# KiCad board Stream.kicad_pcb (continued)
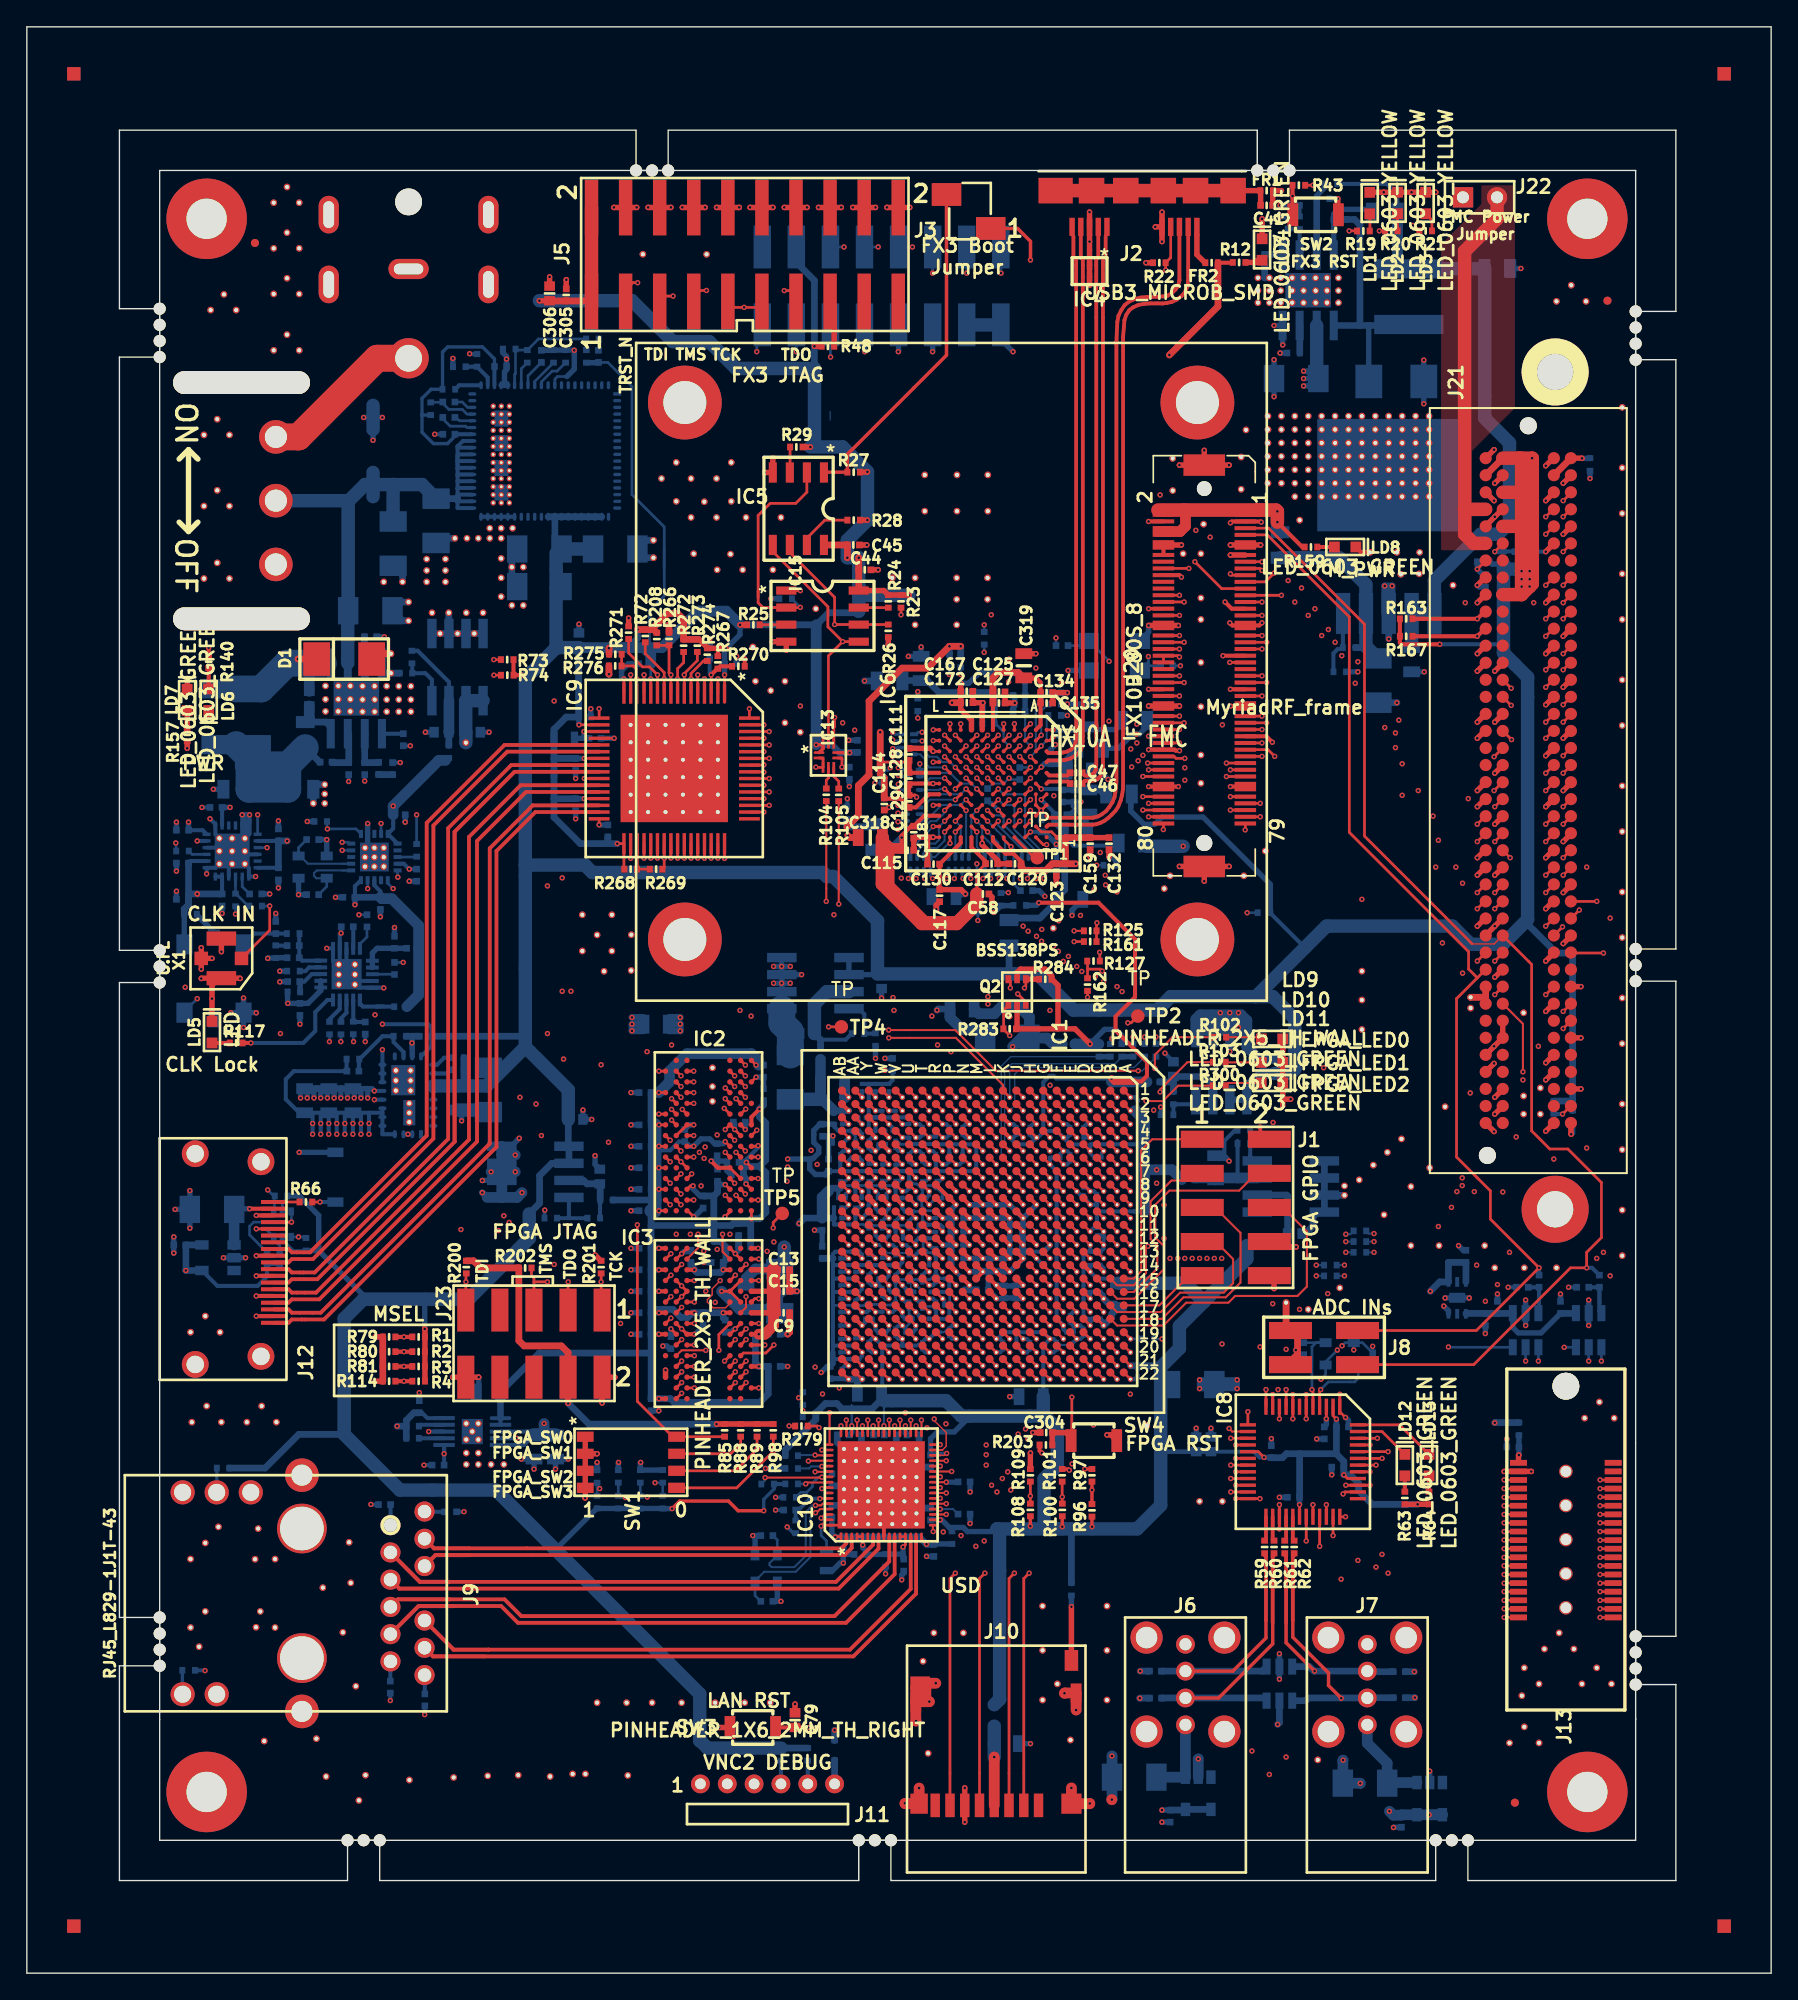
[diagram p0: board, top side]
## Routing (per net, layer and track width the routed paths; a pad name or vN(x,y) marks a point on that pad's centre or on a via; arc(x,y) is an arc through that point) (continued)
/FPGA banks 1_4/DDR_0_DQ5: length 21.9
  Top w0.2: IC1.W10 IC1.W10 ; v1(47.95,62.05) IC2.H9
  Inner6.Cu w0.1: v1(47.95,62.05) 48.35,61.65 48.35,59.22 49.47,58.1 50.12,58.1 51.28,56.95 52.28,56.95 52.6,56.62 63.88,56.62 IC1.W10
  Bottom w0.3: R11.2 63.97,56.25 IC1.W10
/FPGA banks 1_4/DDR_0_DQ6: length 11.1
  Top w0.2: IC2.F1 v1(54.5,60.8) ; IC1.AA8 IC1.AA8
  Inner6.Cu w0.1: 60.6,57.88 61.88,57.88 IC1.AA8
  Inner6.Cu w0.15: 60.6,57.88 56.95,57.88 54.5,60.32 v1(54.5,60.8)
  Bottom w0.3: IC1.AA8 62.22,58.22 R71.2
/FPGA banks 1_4/DDR_0_DQ7: length 21.7
  Top w0.2: IC2.F9 v1(47.95,60.45) ; IC1.Y10 IC1.Y10
  Inner4.Cu w0.1: IC1.Y10 IC1.Y10 59.47,56.75 58.9,57.32 v1(58.9,60.25)
  Inner1.Cu w0.1: v1(58.9,60.25) 58.53,60.25 57.41,61.37 55.7,61.37 54.33,60 53.2,60 53.15,60.05 48.35,60.05 v1(47.95,60.45)
  Bottom w0.2: R126.2 62.82,56.1 63.1,56.1 IC1.Y10
/FPGA banks 1_4/DDR_0_DQ8: length 20.3
  Top w0.2: IC1.W6 IC1.W6 ; IC2.C8 v1(48.75,58.05)
  Inner6.Cu w0.1: 64.25,60.28 IC1.W6
  Inner3.Cu w0.1: v1(50.47,60.7) 50.12,60.35 49.57,60.35 49.15,59.93 49.15,58.43 48.78,58.05 v1(48.75,58.05)
  Inner1.Cu w0.1: v1(50.47,60.7) 50.68,60.9 51.45,60.9 51.57,60.78 53.66,60.78 54.13,61.24 55.08,61.24 55.46,61.62 57.51,61.62 58.05,61.08 58.06,61.08 58.54,60.6 58.56,60.62 63.88,60.62 IC1.W6
  Bottom w0.3: 63.75,60.22 63.78,60.25 IC1.W6
/FPGA banks 1_4/DDR_0_DQ9: length 12.1
  Top w0.2: IC2.C2 v1(53.55,58.05) ; IC1.AA5 IC1.AA5
  Inner5.Cu w0.1: v1(56.7,60.06) 57.64,60.06 58.46,60.88 61.88,60.88 IC1.AA5
  Inner3.Cu w0.1: v1(56.7,60.06) 56.7,59.85 55.68,58.82 55.68,58.47 55.25,58.05 v1(53.55,58.05)
  Bottom w0.3: IC1.AA5 62.03,61.47 R152.2
/FPGA banks 1_4/DDR_0_DQ10: length 20.8
  Top w0.2: IC1.W7 IC1.W7 ; IC2.D7 v1(49.55,59.55)
  Inner6.Cu w0.1: v1(49.55,59.55) 49.78,59.78 51.18,59.78 51.45,60.05 51.45,61.28 51.72,61.55 53.18,61.55 54.04,62.41 57.09,62.41 57.67,61.83 57.67,60.92 59.97,58.62 63.62,58.62 IC1.W7
  Bottom w0.25: IC1.W7 64.03,59.03 63.75,59.03
/FPGA banks 1_4/DDR_0_DQ11: length 16.6
  Top w0.2: v1(52.75,58.85) IC2.D3 ; IC1.V8 IC1.V8
  Inner5.Cu w0.1: 62.28,57.62 64.62,57.62 IC1.V8 ; 62.28,57.62 61.07,57.62 ; 62.28,57.62 61.15,57.62 ; 61.15,57.62 60.82,57.62 ; 61.15,57.62 60.5,57.62 60.45,57.57 ; 54,58.43 53.18,58.43 v1(52.75,58.85)
  Inner5.Cu w0.15: 60.45,57.57 55.53,57.57 54.68,58.43 54,58.43
  Bottom w0.3: R173.2 65.53,58.25 IC1.V8
/FPGA banks 1_4/DDR_0_DQ12: length 12.2
  Top w0.2: IC2.D1 v1(54.5,59.2) ; IC1.W8 IC1.W8
  Inner5.Cu w0.1: IC1.W8 63.88,57.88 60.45,57.88
  Inner5.Cu w0.15: 60.45,57.88 55.82,57.88 v1(54.5,59.2)
  Bottom w0.3: IC1.W8 64.07,58.07 R174.2
/FPGA banks 1_4/DDR_0_DQ13: length 17.7
  Top w0.2: v1(47.95,58.85) IC2.D9 ; IC1.Y7 IC1.Y7
  Inner1.Cu w0.1: v1(47.95,58.85) 48.18,59.07 49.65,59.07 50.3,59.72 56.43,59.72 56.53,59.62 62.88,59.62 IC1.Y7
  Bottom w0.25: IC1.Y7 63.03,59.03 R178.2
/FPGA banks 1_4/DDR_0_DQ14: length 14.1
  Top w0.2: IC2.B1 v1(54.5,57.6) ; IC1.U9 IC1.U9
  Inner6.Cu w0.1: IC1.U9 65.88,56.88 60.62,56.88
  Inner6.Cu w0.15: v1(54.5,57.6) 55.22,56.88 60.62,56.88
  Bottom w0.3: IC1.U9 65.82,57.68 65.82,57.75
/FPGA banks 1_4/DDR_0_DQ15: length 20.9
  Top w0.2: IC2.B9 v1(47.95,57.25) ; IC1.AA4 IC1.AA4 IC1.AA4
  Inner4.Cu w0.1: v1(50.12,61.15) 50.07,61.2 49.38,61.2 49.03,60.85 48.5,60.85 48.35,60.7 48.35,57.65 v1(47.95,57.25)
  Inner1.Cu w0.1: v1(50.12,61.15) 50.85,61.15 51.25,61.55 53,61.55 53.57,62.12 55,62.12 55.25,61.88 61.88,61.88 IC1.AA4
  Bottom w0.3: R183.2 62.25,62.53 IC1.AA4
/FPGA banks 1_4/DDR_1_A0: length 19
  Top w0.2: IC1.U15 IC1.U15 ; IC3.M8 v1(53.6,45.6)
  Inner6.Cu w0.1: 58.35,49.53 58.35,48.95 ; 58.35,48.95 58.35,47.75 56.45,45.85 53.85,45.85 v1(53.6,45.6) ; 58.35,48.95 58.35,49.68 58.55,49.88 65.43,49.88 65.75,50.2 65.75,50.35 66.25,50.85 IC1.U15
  Bottom w0.2: R243.2 66.3,51.25 IC1.U15
/FPGA banks 1_4/DDR_1_A1: length 18.3
  Top w0.2: IC1.AA17 IC1.AA17 ; IC3.M3 v1(49.75,45.2)
  Inner1.Cu w0.1: 59.45,48.88 59.1,48.88 56.3,46.07 54.62,46.07 53.75,45.2 v1(49.75,45.2) ; 59.45,48.88 61.75,48.88 ; 59.45,48.88 61.88,48.88 IC1.AA17
  Bottom w0.3: R244.2 62.6,49.25 IC1.AA17
/FPGA banks 1_4/DDR_1_A2: length 24.3
  Top w0.2: IC3.M7 v1(52.8,45.6) ; IC1.T14 IC1.T14
  Inner5.Cu w0.1: IC1.T14 66.75,51.75 66.75,51.07 66.55,50.88 58.65,50.88 58.65,50.87 58.1,50.32 57.2,50.32 56.72,49.85 52.97,49.85 52.76,50.06 51.65,50.06 51.57,49.98 v1(51.3,49.98)
  Inner4.Cu w0.1: v1(52.8,45.6) 52.8,46.03 51.47,47.35 51.47,49.81 v1(51.3,49.98)
  Bottom w0.3: R245.2 67,52.25 IC1.T14
/FPGA banks 1_4/DDR_1_A3: length 18.4
  Top w0.2: v1(48.8,44.8) IC3.N2 ; IC1.Y17 IC1.Y17
  Inner1.Cu w0.1: v1(48.8,44.8) 51.32,44.8 51.72,44.4 55,44.4 59.22,48.62 62.18,48.62 62.8,49.25 IC1.Y17
  Bottom w0.3: IC1.Y17 63.28,49.28 R246.2
/FPGA banks 1_4/DDR_1_A4: length 22.1
  Top w0.2: v1(53.6,44.8) IC3.N8 ; IC1.T16 IC1.T16
  Inner6.Cu w0.1: IC1.T16 66.82,50.25 66.35,49.78 66.18,49.78 65.75,49.35 65.75,49.18 65.45,48.88 59.2,48.88 58.88,48.55 58.88,46.78 56.9,44.8 v1(53.6,44.8) 56.78,44.8
  Bottom w0.3: R247.2 67.53,50.25 IC1.T16
/FPGA banks 1_4/DDR_1_A5: length 16.2
  Top w0.2: IC3.N3 v1(49.75,44.4) ; IC1.AB19 IC1.AB19
  Inner1.Cu w0.1: 60.15,47.25 59.38,47.25 55.32,43.2 52.53,43.2 51.32,44.4 v1(49.75,44.4) ; 60.15,47.25 60.82,47.25 ; 60.15,47.25 IC1.AB19
  Bottom w0.3: IC1.AB19 R248.2
/FPGA banks 1_4/DDR_1_A6: length 19.5
  Top w0.2: IC1.U17 IC1.U17 ; IC3.N7 v1(52.8,44.8)
  Inner6.Cu w0.1: 55.8,44.4 53.2,44.4 v1(52.8,44.8) ; 55.8,44.4 56.78,44.4 ; 55.8,44.4 56.95,44.4 59.15,46.6 59.15,48.25 59.53,48.62 65.62,48.62 IC1.U17
  Bottom w0.3: 66.68,48.75 66.53,48.9 66.53,48.97 IC1.U17
/FPGA banks 1_4/DDR_1_A7: length 19.1
  Top w0.2: IC3.P2 v1(48.8,44) ; IC1.AA19 IC1.AA19
  Inner6.Cu w0.1: IC1.AA19 62.25,47.28
  Inner1.Cu w0.1: 60.28,46.88 59.43,46.88 55.5,42.95 52.35,42.95 51.3,44 v1(48.8,44) ; 60.28,46.88 61.85,46.88 ; 60.28,46.88 61.88,46.88 IC1.AA19
  Bottom w0.3: IC1.AA19 62.2,47.3 R250.2
/FPGA banks 1_4/DDR_1_A8: length 23.3
  Top w0.2: IC1.R16 IC1.R16 ; v1(53.6,44) IC3.P8
  Inner6.Cu w0.1: 56.78,44 v1(53.6,44) 56.97,44 59.43,46.45 59.43,47.72 59.58,47.88 65.53,47.88 65.75,48.1 65.75,48.38 66.15,48.78 66.3,48.78 66.78,49.25 66.78,49.5 67,49.72 67.72,49.72 IC1.R16
  Bottom w0.3: IC1.R16 68.38,50.12 R251.2
/FPGA banks 1_4/DDR_1_A9: length 16.6
  Top w0.2: IC3.P3 v1(49.75,43.6) ; IC1.AA20 IC1.AA20
  Inner1.Cu w0.1: 61.88,46.62 61.95,46.55 ; 61.88,46.62 IC1.AA20 ; 61.88,46.62 59.6,46.62 55.65,42.68 52.25,42.68 51.32,43.6 v1(49.75,43.6)
  Bottom w0.3: R252.2 62.25,45.97 IC1.AA20
/FPGA banks 1_4/DDR_1_A10: length 16.7
  Top w0.2: IC1.AB17 IC1.AB17 ; IC3.M2 v1(48.8,45.6)
  Inner1.Cu w0.1: 59.62,49.25 59.07,49.25 56.22,46.4 52.15,46.4 51.35,45.6 v1(48.8,45.6) ; 59.62,49.25 60.43,49.25 ; 59.62,49.25 IC1.AB17
  Bottom w0.3: IC1.AB17 R253.2
/FPGA banks 1_4/DDR_1_A11: length 20.9
  Top w0.2: v1(52.8,44) IC3.P7 ; IC1.U16 IC1.U16
  Inner6.Cu w0.1: 58.6,49.35 58.6,48.68 ; 58.6,48.68 58.6,47.6 56.6,45.6 54.15,45.6 53.75,45.2 52.5,45.2 52.28,44.97 52.28,44.53 v1(52.8,44) ; 58.6,48.68 58.6,49.4 58.82,49.62 65.6,49.62 66.22,50.25 IC1.U16
  Bottom w0.3: IC1.U16 66.47,50.03 R254.2
/FPGA banks 1_4/DDR_1_A12: length 25.1
  Top w0.2: IC1.U14 IC1.U14 ; IC3.R2 v1(48.8,43.2)
  Inner6.Cu w0.1: v1(48.8,43.2) 49.97,43.2 51.53,44.75 51.53,45.78 52.15,46.4 56.2,46.4 57.85,48.05 57.85,49.8 58.93,50.88 65.5,50.88 65.62,51 65.62,51.62 IC1.U14
  Bottom w0.3: R255.2 65.97,52.25 IC1.U14
/FPGA banks 1_4/DDR_1_DQ0: length 14.5
  Top w0.15: IC3.G8 53.6,49.6 v1(53.6,50.4)
  Top w0.2: IC1.W15 IC1.W15
  Inner6.Cu w0.1: 57.78,51.88 63.62,51.88 IC1.W15 ; 57.78,51.88 57.47,51.88 ; 57.78,51.88 55.93,51.88 54.95,50.9 54.1,50.9 v1(53.6,50.4)
  Bottom w0.3: R13.2 64.25,50.9 IC1.W15
/FPGA banks 1_4/DDR_1_DQ1: length 22.6
  Top w0.2: IC1.V14 IC1.V14 ; IC3.G2 v1(48.8,49.6)
  Inner5.Cu w0.1: v1(48.8,49.6) 47.9,49.6 47.57,49.93 47.57,50.6 47.78,50.8 49.28,50.8 49.68,50.4 50.55,50.4 50.6,50.35 52.58,50.35 52.67,50.44 52.81,50.44 53.17,50.8 56.4,50.8 57.47,51.88 64.88,51.88 IC1.V14
  Bottom w0.3: R14.2 64.97,52.25 IC1.V14
/FPGA banks 1_4/DDR_1_DQ2: length 13.4
  Top w0.2: IC3.H7 51.57,47.57 v1(51.57,46.4) ; IC1.AB20 IC1.AB20
  Inner5.Cu w0.1: v1(51.57,46.4) 51.72,46.25 IC1.AB20
  Bottom w0.3: IC1.AB20 R15.2
/FPGA banks 1_4/DDR_1_DQ3: length 14
  Top w0.2: v1(49.75,48.4) IC3.H3 ; IC1.AB18 IC1.AB18
  Inner5.Cu w0.1: v1(49.75,48.4) 51.22,48.4 52.03,47.6 53.9,47.6 54.3,48 61,48 IC1.AB18
  Bottom w0.3: IC1.AB18 R16.2
/FPGA banks 1_4/DDR_1_DQ4: length 22.1
  Top w0.2: IC1.T15 IC1.T15 ; v1(48,48.8) IC3.H1
  Inner1.Cu w0.1: v1(48,48.8) 50.1,48.8 50.29,48.99 51.11,48.99 51.94,49.82 57.75,49.82 57.74,49.82 58.79,50.88 66.88,50.88 IC1.T15
  Bottom w0.3: R17.2 67.53,51.25 IC1.T15
/FPGA banks 1_4/DDR_1_DQ5: length 12.2
  Top w0.2: IC1.W17 IC1.W17 ; v1(54.55,48.4) IC3.H9
  Inner5.Cu w0.1: IC1.W17 63.88,49.62 59.38,49.62 58.15,48.4 v1(54.55,48.4)
  Bottom w0.3: R18.2 64.53,49.25 IC1.W17
/FPGA banks 1_4/DDR_1_DQ6: length 16.3
  Top w0.2: IC1.AB16 IC1.AB16 ; v1(48,50.4) IC3.F1
  Inner5.Cu w0.1: v1(48,50.4) 48.4,50 49.2,50 49.62,49.57 50.01,49.57 50.41,49.18 51.38,49.18 51.78,49.57 52.35,49.57 52.6,49.32 56.95,49.32 57.4,49.78 58.32,49.78 58.8,50.25 IC1.AB16
  Bottom w0.3: R229.2 IC1.AB16
/FPGA banks 1_4/DDR_1_DQ7: length 13.4
  Top w0.2: v1(54.55,50.25) 54.25,50.25 IC3.F9 ; IC1.V15 IC1.V15
  Inner5.Cu w0.1: v1(54.55,50.25) 56.2,50.25 57.57,51.62 64.88,51.62 IC1.V15
  Bottom w0.3: R230.2 65.55,50.8 65.55,50.95 IC1.V15
/FPGA banks 1_4/DDR_1_DQ8: length 12.9
  Top w0.2: v1(53.6,52.8) IC3.C8 ; IC1.W13 IC1.W13
  Inner5.Cu w0.1: v1(53.6,52.8) 57.2,52.8 58.03,53.62 63.88,53.62 IC1.W13
  Bottom w0.3: IC1.W13 64.2,53.3 R231.2
/FPGA banks 1_4/DDR_1_DQ9: length 14.9
  Top w0.2: IC1.AB13 IC1.AB13 ; IC3.C2 v1(48.8,52.8)
  Inner6.Cu w0.1: v1(48.8,52.8) 49.38,53.38 50.85,53.38 51.03,53.2 53.2,53.2 53.57,53.57 54.78,53.57 55.1,53.25 IC1.AB13
  Bottom w0.3: R232.2 IC1.AB13
/FPGA banks 1_4/DDR_1_DQ10: length 11.6
  Top w0.2: IC3.D7 v1(52.8,52) ; IC1.AA15 IC1.AA15
  Inner2.Cu w0.1: IC1.AA15 61.88,51.62 61.25,51.62 60.88,52 v1(52.8,52)
  Bottom w0.3: R233.2 62.25,50.97 IC1.AA15
/FPGA banks 1_4/DDR_1_DQ11: length 14.3
  Top w0.2: IC1.AB14 IC1.AB14 ; v1(49.75,51.6) IC3.D3
  Inner6.Cu w0.1: v1(49.75,51.6) 50.9,51.6 51.31,51.19 52.28,51.19 52.67,50.8 53.15,50.8 53.55,51.2 54.78,51.2 55.82,52.25 IC1.AB14
  Bottom w0.3: R234.2 IC1.AB14
/FPGA banks 1_4/DDR_1_DQ12: length 17.4
  Top w0.2: v1(48,52) IC3.D1 ; IC1.AA14 IC1.AA14
  Inner6.Cu w0.1: 56.82,52.65 61.85,52.65 IC1.AA14 ; 56.82,52.65 56.22,52.65 ; 56.82,52.65 55.65,52.65 55,52 53.97,52 53.57,51.6 52.57,51.6 52.18,52 v1(48,52)
  Bottom w0.3: IC1.AA14 R235.2
/FPGA banks 1_4/DDR_1_DQ13: length 8.7
  Top w0.2: IC3.D9 v1(54.55,51.6) ; IC1.AB15 IC1.AB15
  Inner2.Cu w0.1: IC1.AB15 60.9,51.6 v1(54.55,51.6)
  Bottom w0.3: R236.2 IC1.AB15
/FPGA banks 1_4/DDR_1_DQ14: length 16.9
  Top w0.2: v1(48,53.6) IC3.B1 ; IC1.AA13 IC1.AA13
  Inner6.Cu w0.1: v1(48,53.6) 48.81,54.41 55.14,54.41 55.93,53.62 61.88,53.62 IC1.AA13
  Bottom w0.3: R237.2 62.25,53.53 IC1.AA13
/FPGA banks 1_4/DDR_1_DQ15: length 14
  Top w0.2: IC1.U12 IC1.U12 ; v1(54.55,53.2) IC3.B9
  Inner5.Cu w0.1: v1(54.55,53.2) 57.22,53.2 57.9,53.88 65.88,53.88 IC1.U12
  Bottom w0.3: R238.2 66.25,54.53 IC1.U12
/FPGA banks 1_4/DVI_d0: length 47.5
  Top w0.2: v1(54.93,93) IC9.63 ; IC1.J1 IC1.J1
  Inner6.Cu w0.1: 72.8,78 59.9,78 58.25,79.65 58.25,90.12 55.38,93 v1(54.93,93) ; 72.8,78 v1(74.25,78) ; 72.8,78 72.85,78
  Inner4.Cu w0.1: IC1.J1 74.25,67.3 72.8,68.75 72.8,76.2 74.25,77.65 v1(74.25,78)
/FPGA banks 1_4/DVI_d1: length 47.6
  Top w0.2: IC1.J2 IC1.J2 ; v1(55.32,92.5) IC9.62
  Inner6.Cu w0.1: 72.25,77.62 59.93,77.62 58.03,79.53 58.03,89.78 55.32,92.47 v1(55.32,92.5) ; 72.25,77.62 v1(74.62,77.62) ; 72.25,77.62 72.43,77.62
  Inner4.Cu w0.1: 74.62,77.12 74.62,77.25 ; 74.62,77.12 74.62,76.82 74.75,76.7 74.75,65.85 74.62,65.72 74.62,64.62 IC1.J2 ; 74.62,77.12 v1(74.62,77.62)
/FPGA banks 1_4/DVI_d2: length 46.4
  Top w0.2: IC1.H1 IC1.H1 ; v1(54.93,92) IC9.61
  Inner6.Cu w0.1: 71.8,77.25 59.95,77.25 57.8,79.4 57.8,89.57 55.38,92 v1(54.93,92) ; 71.8,77.25 71.85,77.25 ; 71.8,77.25 v1(75.25,77.25)
  Inner4.Cu w0.1: 75.25,76.7 75.25,76.88 ; 75.25,76.7 v1(75.25,77.25) ; 75.25,76.7 IC1.H1
/FPGA banks 1_4/DVI_d3: length 47.2
  Top w0.2: IC1.H2 IC1.H2 ; IC9.60 v1(55.32,91.5)
  Inner6.Cu w0.1: v1(55.32,91.5) 57.57,89.25 57.57,79.25 59.95,76.88 v1(75.62,76.88)
  Inner4.Cu w0.1: IC1.H2 75.25,64.67 75.62,65.04 v1(75.62,76.88)
/FPGA banks 1_4/DVI_d4: length 48.6
  Top w0.2: v1(54.93,91) IC9.59 ; IC1.G3 IC1.G3
  Inner6.Cu w0.1: v1(54.93,91) 55.4,91 57.35,89.05 57.35,79.12 59.97,76.5 v1(76.5,76.5)
  Inner4.Cu w0.1: v1(76.5,76.5) 76.5,75.9 76.62,75.78 76.62,63.62 IC1.G3
/FPGA banks 1_4/DVI_d5: length 49.6
  Top w0.2: IC1.G4 IC1.G4 ; v1(55.32,90.5) IC9.58
  Inner6.Cu w0.1: 71.45,76.12 60,76.12 57.12,79 57.12,88.7 v1(55.32,90.5) ; 71.45,76.12 v1(76.88,76.12) ; 71.45,76.12 71.55,76.12
  Inner4.Cu w0.1: IC1.G4 76.88,62.88 v1(76.88,76.12)
/FPGA banks 1_4/DVI_d6: length 46.1
  Top w0.2: IC1.E1 IC1.E1 ; v1(55.32,89) IC9.55
  Inner6.Cu w0.1: v1(78.25,75) 60.07,75 56.43,78.65 56.43,87.88 55.32,88.97 v1(55.32,89)
  Inner4.Cu w0.1: IC1.E1 v1(78.25,75)
/FPGA banks 1_4/DVI_d7: length 48.4
  Top w0.2: IC9.54 v1(54.93,88.5) ; IC1.E3 IC1.E3
  Inner6.Cu w0.1: 59.81,74.89 56.2,78.5 56.2,87.72 55.43,88.5 v1(54.93,88.5) ; 59.81,74.89 59.93,74.78 ; 59.81,74.89 60.07,74.62 71.45,74.62 ; 71.45,74.62 v1(78.62,74.62) ; 71.45,74.62 71.55,74.62
  Inner4.Cu w0.1: IC1.E3 78.62,63.62 v1(78.62,74.62)
/FPGA banks 1_4/DVI_d8: length 48
  Top w0.2: IC1.D2 IC1.D2 ; IC9.53 v1(55.32,88)
  Inner6.Cu w0.1: 59.8,74.55 55.97,78.38 55.97,87.35 v1(55.32,88) ; 59.8,74.55 59.95,74.4 ; 59.8,74.55 60.1,74.25 71.38,74.25 ; 71.38,74.25 v1(79.62,74.25) ; 71.38,74.25 71.55,74.25
  Inner4.Cu w0.1: IC1.D2 79.62,64.62 v1(79.62,74.25)
/FPGA banks 1_4/DVI_d9: length 47.1
  Top w0.2: IC1.C1 IC1.C1 ; IC9.52 v1(54.93,87.5)
  Inner6.Cu w0.1: 59.82,74.15 55.7,78.28 55.7,87.2 55.4,87.5 v1(54.93,87.5) ; 59.82,74.15 59.93,74.05 ; 59.82,74.15 60.1,73.88 71.45,73.88 ; 71.45,73.88 71.55,73.88 ; 71.45,73.88 v1(80.25,73.88)
  Inner4.Cu w0.1: v1(80.25,73.88) 79.96,73.59 79.96,66.41 80.25,66.12 IC1.C1
/FPGA banks 1_4/DVI_d10: length 48.8
  Top w0.2: IC1.B1 IC1.B1 ; IC9.51 v1(55.32,87)
  Inner6.Cu w0.1: 59.81,73.76 55.32,78.25 v1(55.32,87) ; 59.81,73.76 59.9,73.68 ; 59.81,73.76 60.07,73.5 71.95,73.5 ; 71.95,73.5 72.5,72.95 ; 71.95,73.5 72.93,72.53 77.82,72.53 78.8,73.5 v1(81.25,73.5)
  Inner4.Cu w0.1: v1(81.25,73.5) IC1.B1
/FPGA banks 1_4/DVI_d11: length 49.5
  Top w0.2: IC9.50 v1(54.93,86.5) ; IC1.B2 IC1.B2
  Inner6.Cu w0.1: 59.71,73.41 54.93,78.2 v1(54.93,86.5) ; 59.71,73.41 59.82,73.3 ; 59.71,73.41 60,73.12 71.4,73.12 ; 71.4,73.12 71.55,73.12 ; 71.4,73.12 71.93,73.12 ; 71.93,73.12 72.35,72.7 ; 71.93,73.12 72.78,72.28 77.97,72.28 78.82,73.12 v1(81.62,73.12)
  Inner4.Cu w0.1: v1(81.62,73.12) 81.62,64.62 IC1.B2
/FPGA banks 1_4/FPGA_reset: length 26.2
  Top w0.2: 77.82,39.68 77.88,39.72 v1(77.88,42.91) ; IC1.E4 IC1.E4
  Top w0.4: 77.82,39.68 77.82,39.88 77.43,40.28 C304.1 76.42,40.27 R203.1
  Inner4.Cu w0.1: v1(77.88,42.91) 77.88,61.88 IC1.E4
/FPGA banks 1_4/FPGA_SW0: length 51.6
  Top w0.2: R85.1 51.99,39.97 SW1.8 48.13,39.97 45.5,42.6 v1(45.5,55.75) ; IC1.J8 IC1.J8
  Inner2.Cu w0.1: 53.95,57.2 54.25,57.2 ; 54.25,57.2 50.78,57.2 50.3,56.72 49.5,56.72 49.1,56.32 48.03,56.32 47.6,55.9 ; 54.25,57.2 54.75,57.2 55.43,57.88 73.88,57.88 IC1.J8 ; v1(45.5,55.75) 45.82,55.75 45.97,55.9 47.6,55.9 ; 47.65,55.95 47.6,55.9
/FPGA banks 1_4/FPGA_SW1: length 49.6
  Top w0.2: SW1.7 v1(51.85,38.69) 52.46,38.69 53.2,39.44 R88.1 ; IC1.J6 IC1.J6
  Inner5.Cu w0.1: v1(51.85,38.69) 53.43,40.27 67.27,40.27 67.54,40.54 v1(74.43,40.54)
  Inner4.Cu w0.1: v1(74.43,40.54) 74.62,40.74 74.62,59.88 IC1.J6
  Bottom w0.2: v1(51.85,38.69) 51.85,38.7
/FPGA banks 1_4/FPGA_SW2: length 49.7
  Top w0.2: 52.81,37.43 52.81,37.43 ; 52.81,37.43 v1(54.42,39.04) R89.1 ; 52.81,37.43 SW1.6 ; IC1.J5 IC1.J5
  Inner5.Cu w0.1: v1(54.42,39.04) 55.42,40.04 67.35,40.04 67.47,40.16 v1(73.88,40.16)
  Inner4.Cu w0.1: 73.88,43.02 73.88,60.88 IC1.J5 ; 73.88,43.02 73.88,42.82 ; 73.88,43.02 73.88,40.16 v1(73.88,40.16)
/FPGA banks 1_4/FPGA_SW3: length 57.6
  Top w0.2: SW1.5 52.91,36.16 55.63,38.88 v1(55.63,38.89) R98.1 ; IC1.G1 IC1.G1
  Inner5.Cu w0.1: 74.63,39.77 v1(74.61,39.77) 73.49,39.77 73.43,39.83 56.05,39.83 55.63,39.41 v1(55.63,38.89)
  Inner4.Cu w0.1: v1(74.61,39.77) 75.56,39.77 76.77,40.98 76.77,54.52 76.54,54.75 76.05,54.75 75.83,54.97 75.83,64.48 76.25,64.9 IC1.G1
/FPGA banks 1_4/FX3_CTL0: length 34.3
  Top w0.2: IC1.L7 IC1.L7
  Inner1.Cu w0.1: 65.14,78.74 66,77.88 71.1,77.88 72.88,76.1 72.88,59.88 IC1.L7 ; 65.14,78.74 64.93,78.95 ; 65.14,78.74 64.75,79.12 64.75,85.03 v1(64.93,85.2)
  Bottom w0.2: v1(64.93,85.2) 65.08,85.35 R206.5
/FPGA banks 1_4/FX3_CTL1: length 34.7
  Top w0.2: IC1.M4 IC1.M4
  Inner4.Cu w0.1: v1(71.62,72.75) 72.03,72.35 72.03,71.93 71.88,71.78 71.88,62.88 IC1.M4
  Inner1.Cu w0.1: 63.78,86.65 63.78,78.65 65.45,76.97 70.7,76.97 71.62,76.05 v1(71.62,72.75) ; 63.78,86.65 63.78,86.69 63.76,86.71 63.76,87.05 64.71,88 v1(64.95,88) ; 63.78,86.65 63.78,86.82
  Bottom w0.2: v1(64.95,88) 65.1,88.15 R207.5
/FPGA banks 1_4/FX3_CTL2: length 36.6
  Top w0.2: IC1.M8 IC1.M8
  Inner1.Cu w0.1: v1(64.93,86.43) 64.28,85.78 64.28,78.85 65.7,77.43 70.9,77.43 72.35,75.97 72.35,65.97 71.88,65.5 71.88,58.88 IC1.M8
  Bottom w0.2: v1(64.93,86.43) 65,86.35 R206.7
/FPGA banks 1_4/FX3_CTL3: length 36.2
  Top w0.2: IC1.M7 IC1.M7
  Inner1.Cu w0.1: v1(64.93,87) 64.03,86.1 64.03,78.75 65.57,77.2 70.8,77.2 72.05,75.95 72.05,66.1 71.62,65.68 71.62,59.62 IC1.M7
  Bottom w0.2: v1(64.93,87) 65.08,86.85 R206.8
/FPGA banks 1_4/FX3_CTL4: length 36.4
  Top w0.2: IC1.M5 IC1.M5
  Inner1.Cu w0.1: v1(64.95,89.22) 63.28,87.55 63.28,78.45 65.25,76.47 70.5,76.47 70.88,76.1 70.88,61.62 IC1.M5
  Bottom w0.2: v1(64.95,89.22) 65.03,89.15 R207.7
/FPGA banks 1_4/FX3_CTL5: length 45.6
  Top w0.2: IC1.P7 IC1.P7
  Inner1.Cu w0.1: 64.2,91.55 62.28,89.62 v1(64.53,91.88) 62.03,89.38 62.03,77.9 64.76,75.16 67.71,75.16 68.25,74.62 68.25,67.82 68.62,67.45 68.62,59.88 IC1.P7
  Bottom w0.2: v1(64.53,91.88) 64.6,91.8 R55.7
/FPGA banks 1_4/FX3_CTL6: length 33.8
  Top w0.2: IC1.M3 IC1.M3
  Inner4.Cu w0.1: v1(71.62,72.2) 71.62,63.62 IC1.M3
  Inner1.Cu w0.1: v1(64.95,88.57) 63.53,87.15 63.53,78.55 65.35,76.72 70.6,76.72 71.2,76.12 71.2,72.62 v1(71.62,72.2)
  Bottom w0.2: v1(64.95,88.57) 65.03,88.65 R207.6
/FPGA banks 1_4/FX3_CTL7: length 33.8
  Top w0.2: IC1.L6 IC1.L6
  Inner1.Cu w0.1: 64.5,85 64.5,79 65.85,77.65 71,77.65 72.62,76.03 72.62,60.62 IC1.L6 ; 64.5,85 64.5,85.2 ; 64.5,85 64.5,85.35 v1(64.93,85.78)
  Bottom w0.2: v1(64.93,85.78) 65,85.85 R206.6
/FPGA banks 1_4/FX3_CTL8: length 42.2
  Top w0.2: IC1.N8 IC1.N8
  Inner1.Cu w0.1: v1(64.53,92.45) 61.75,89.68 61.75,77.82 64.65,74.93 66.38,74.93 67.05,74.25 67.05,69.12 67.88,68.3 67.88,59.03 68.28,58.62 69.88,58.62 IC1.N8
  Bottom w0.2: v1(64.53,92.45) 64.68,92.3 R55.8
/FPGA banks 1_4/FX3_CTL9: length 38.2
  Top w0.2: IC1.M6 IC1.M6
  Inner1.Cu w0.1: v1(64.95,89.8) 63,87.85 63,78.35 65.1,76.25 70.25,76.25 70.62,75.88 70.62,60.88 IC1.M6
  Bottom w0.2: v1(64.95,89.8) 65.1,89.65 R207.8
/FPGA banks 1_4/FX3_CTL10: length 40.7
  Top w0.2: IC1.N6 IC1.N6
  Inner1.Cu w0.1: 62.75,88.88 v1(64.53,90.65) 62.53,88.65 62.53,78.1 64.95,75.68 69.07,75.68 69.62,75.12 69.62,60.9 70.25,60.28 IC1.N6
  Bottom w0.2: v1(64.53,90.65) 64.68,90.8 R55.5
/FPGA banks 1_4/FX3_CTL11: length 45
  Top w0.2: IC1.N7 IC1.N7
  Inner1.Cu w0.1: 64.22,90.93 62.5,89.2 v1(64.53,91.22) 62.28,88.97 62.28,78 64.85,75.43 67.97,75.43 68.5,74.9 68.5,68.13 68.88,67.75 68.88,60.03 69.15,59.75 IC1.N7 IC1.N7
  Bottom w0.2: v1(64.53,91.22) 64.6,91.3 R55.6
/FPGA banks 1_4/FX3_CTL12: length 34.4
  Top w0.2: IC1.N5 IC1.N5
  Inner1.Cu w0.1: IC1.N5 69.88,61.62 69.88,75.35 69.28,75.95 65.03,75.95 62.78,78.2 62.78,88.25 v1(63.2,88.68)
  Bottom w0.2: R57.2 63.74,88.68 v1(63.2,88.68)
/FPGA banks 1_4/FX3_DQ0: length 21.6
  Top w0.2: IC1.P3 IC1.P3
  Inner4.Cu w0.1: v1(74.05,81.55) 74.05,80.38 69.88,76.2 69.88,63.88 IC1.P3
  Bottom w0.2: v1(74.05,81.55) 74.15,81.65 R53.8
/FPGA banks 1_4/FX3_DQ1: length 19.4
  Top w0.2: IC1.N1 IC1.N1
  Inner4.Cu w0.1: v1(74.57,81.55) 74.57,80.43 70.25,76.1 IC1.N1
  Bottom w0.2: v1(74.57,81.55) 74.65,81.63 R53.7
/FPGA banks 1_4/FX3_DQ2: length 19.6
  Top w0.2: IC1.M1 IC1.M1
  Inner4.Cu w0.1: v1(75.8,81.55) 75.8,80.72 71.25,76.18 IC1.M1
  Bottom w0.2: v1(75.8,81.55) 75.65,81.7 R53.5
/FPGA banks 1_4/FX3_DQ3: length 19.1
  Top w0.2: IC1.P1 IC1.P1
  Inner4.Cu w0.1: 69.25,76.55 69.25,76.72 ; 69.25,76.55 IC1.P1 ; 69.25,76.55 69.25,78.32 v1(72.47,81.55)
  Bottom w0.2: v1(72.47,81.55) 72.4,81.63 R54.6
/FPGA banks 1_4/FX3_DQ4: length 20.2
  Top w0.2: IC1.P2 IC1.P2
  Inner4.Cu w0.1: v1(73.05,81.55) 69.62,78.12 69.62,64.62 IC1.P2
  Bottom w0.2: v1(73.05,81.55) 72.9,81.7 R54.5
/FPGA banks 1_4/FX3_DQ5: length 20.7
  Top w0.2: IC1.N2 IC1.N2
  Inner4.Cu w0.1: v1(75.22,81.55) 75.22,80.65 70.62,76.05 70.62,64.62 IC1.N2
  Bottom w0.2: v1(75.22,81.55) 75.15,81.63 R53.6
/FPGA banks 1_4/FX3_DQ6: length 23.3
  Top w0.2: IC1.P5 IC1.P5
  Inner3.Cu w0.1: v1(71.25,81.55) 71.25,80.93 68.25,77.93 68.25,68.07 68.62,67.7 68.62,61.88 IC1.P5
  Bottom w0.2: v1(71.25,81.55) 71.4,81.7 R54.8
/FPGA banks 1_4/FX3_DQ7: length 22.3
  Top w0.2: IC1.P4 IC1.P4
  Inner3.Cu w0.1: v1(71.82,81.55) 71.82,81.1 68.5,77.78 68.5,68.3 68.88,67.93 68.88,62.62 IC1.P4
  Bottom w0.2: v1(71.82,81.55) 71.9,81.63 R54.7
/FPGA banks 1_4/FX3_DQ8: length 21.2
  Top w0.2: IC1.T3 IC1.T3
  Inner3.Cu w0.1: 66.65,78.82 66.65,67.57 66.88,67.35 66.88,63.62 IC1.T3 ; 66.65,78.82 66.65,79.28 ; 66.65,78.82 66.65,79.65 v1(68.55,81.55)
  Bottom w0.2: v1(68.55,81.55) 68.7,81.7 R204.8
/FPGA banks 1_4/FX3_DQ9: length 23.7
  Top w0.2: IC1.R5 IC1.R5
  Inner3.Cu w0.1: 67.05,78.55 67.05,67.72 67.62,67.15 67.62,61.88 IC1.R5 ; 67.05,78.55 67.05,79.28 ; 67.05,78.55 67.05,79.47 v1(69.12,81.55)
  Bottom w0.2: v1(69.12,81.55) 69.2,81.63 R204.7
/FPGA banks 1_4/FX3_DQ10: length 19.3
  Top w0.2: IC1.U1 IC1.U1
  Inner4.Cu w0.1: 66.4,69.43 66.4,69.25 66.25,69.1 IC1.U1 ; 66.4,69.43 66.4,69.8 ; 66.4,69.43 66.4,78.88 ; 66.4,78.88 66.4,79.62 ; 66.4,78.88 66.4,80 67.5,81.1 v1(67.5,81.55)
  Bottom w0.2: v1(67.5,81.55) 67.35,81.7 R205.5
/FPGA banks 1_4/FX3_DQ11: length 19.3
  Top w0.2: IC1.U2 IC1.U2
  Inner3.Cu w0.1: v1(65.7,81.55) 65.7,79.88 65.2,79.38 65.2,69.55 65.88,68.88 65.88,64.62 IC1.U2
  Bottom w0.2: v1(65.7,81.55) 65.85,81.7 R205.8
/FPGA banks 1_4/FX3_DQ12: length 18.3
  Top w0.2: IC1.V1 IC1.V1
  Inner4.Cu w0.1: v1(66.93,81.55) 66.93,81.1 65.25,79.43 IC1.V1
  Bottom w0.2: v1(66.93,81.55) 66.85,81.63 R205.6
/FPGA banks 1_4/FX3_DQ13: length 19.7
  Top w0.2: IC1.V2 IC1.V2
  Inner4.Cu w0.1: 65,79.32 65,71.32 64.88,71.2 64.88,64.62 IC1.V2 ; 65,79.32 65,79.62 ; 65,79.32 65,79.82 66.28,81.1 v1(66.28,81.55)
  Bottom w0.2: v1(66.28,81.55) 66.35,81.63 R205.7
/FPGA banks 1_4/FX3_DQ14: length 18.4
  Top w0.2: IC1.R1 IC1.R1
  Inner4.Cu w0.1: 68.25,79.47 68.25,79.62 ; 68.25,79.47 IC1.R1 ; 68.25,79.47 68.25,80.03 v1(69.78,81.55)
  Bottom w0.2: v1(69.78,81.55) 69.7,81.63 R204.6
/FPGA banks 1_4/FX3_DQ15: length 20
  Top w0.2: IC1.R2 IC1.R2
  Inner4.Cu w0.1: 68.5,79.3 68.5,68.3 68.62,68.18 68.62,64.62 IC1.R2 ; 68.5,79.3 68.5,79.62 ; 68.5,79.3 68.5,79.7 v1(70.35,81.55)
  Bottom w0.2: v1(70.35,81.55) 70.2,81.7 R204.5
/FPGA banks 1_4/TCK_FPGA: length 51.2
  Top w0.2: J23.1 42.8,49.47 v1(42.8,51.5) R201.2 ; IC1.L2 IC1.L2
  Inner4.Cu w0.1: v1(42.8,51.5) v1(42.8,67.68)
  Inner2.Cu w0.1: v1(42.8,67.68) 46.72,67.68 47.1,68.05 55.43,68.05 57.35,66.12 70.95,66.12 71.65,65.43 71.65,64.85 IC1.L2
/FPGA banks 1_4/TDI_FPGA: length 57.7
  Top w0.2: R200.1 32.72,52.11 v1(32.72,51.5) 32.72,51.49 J23.9 ; IC1.L5 IC1.L5
  Inner5.Cu w0.1: 39.82,64.75 48.93,64.75 49.38,65.2 50.1,65.2 51.38,63.93 54.7,63.93 55.5,63.12 60.3,63.12 60.55,62.88 71.45,62.88 71.75,62.57 IC1.L5 IC1.L5 ; 39.82,64.75 39,64.75 ; 39.82,64.75 38.88,64.75 38.38,65.25 v1(36.75,65.25)
  Inner3.Cu w0.1: v1(32.72,51.5) 34.53,53.3 34.53,56.72 35.88,58.07 35.88,64.38 v1(36.75,65.25)
/FPGA banks 1_4/TDO_FPGA: length 69.2
  Top w0.2: v1(40.35,51.5) 40.34,51.49 J23.3 ; IC1.L4 IC1.L4
  Inner6.Cu w0.15: 41.45,73.18 58.45,73.18 59.93,71.7 62.35,71.7 62.85,72.2 68.68,72.2 69.63,71.25 v1(73.25,71.25) ; 41.45,73.18 40.9,73.18 ; 41.45,73.18 40.57,73.18 v1(40.55,73.15)
  Inner4.Cu w0.15: 40.57,71.75 40.57,51.72 v1(40.35,51.5) ; 40.57,71.75 40.57,72.47 ; 40.57,71.75 40.57,73.12 v1(40.55,73.15)
  Inner3.Cu w0.1: v1(73.25,71.25) 72.62,70.62 72.62,62.62 IC1.L4
/FPGA banks 1_4/TMS_FPGA: length 55.6
  Top w0.2: 37.79,51.5 37.79,51.79 37.61,51.98 R202.1 ; 37.79,51.5 J23.5 ; 37.79,51.5 v1(38.8,51.5) ; IC1.L1 IC1.L1
  Inner4.Cu w0.1: v1(38.8,51.5) 40,52.7 v1(40,68.1)
  Inner2.Cu w0.1: v1(40,68.1) 46.8,68.1 47,68.3 55.6,68.3 57.5,66.4 71.1,66.4 IC1.L1
/FPGA banks 5_8/FPGA_GPIO0: length 15.4
  Top w0.15: J1.1 83.88,62.12 83.05,61.3 83.05,52.3 82.5,51.75 IC1.A15